# Altium PCB mppt.PcbDoc (part 2 of 5)
Units mm, origin at the board's own origin, x right, y up, seen from the top; angles counter-clockwise.
Board outline 161 x 166 mm, 6 copper layers (Top Layer, Layer 1, Layer 2, Layer 3, Layer 4, Bottom Layer), stack 0.815 mm thick; 460 components, 230 nets, 1421 pads, 2551 vias.
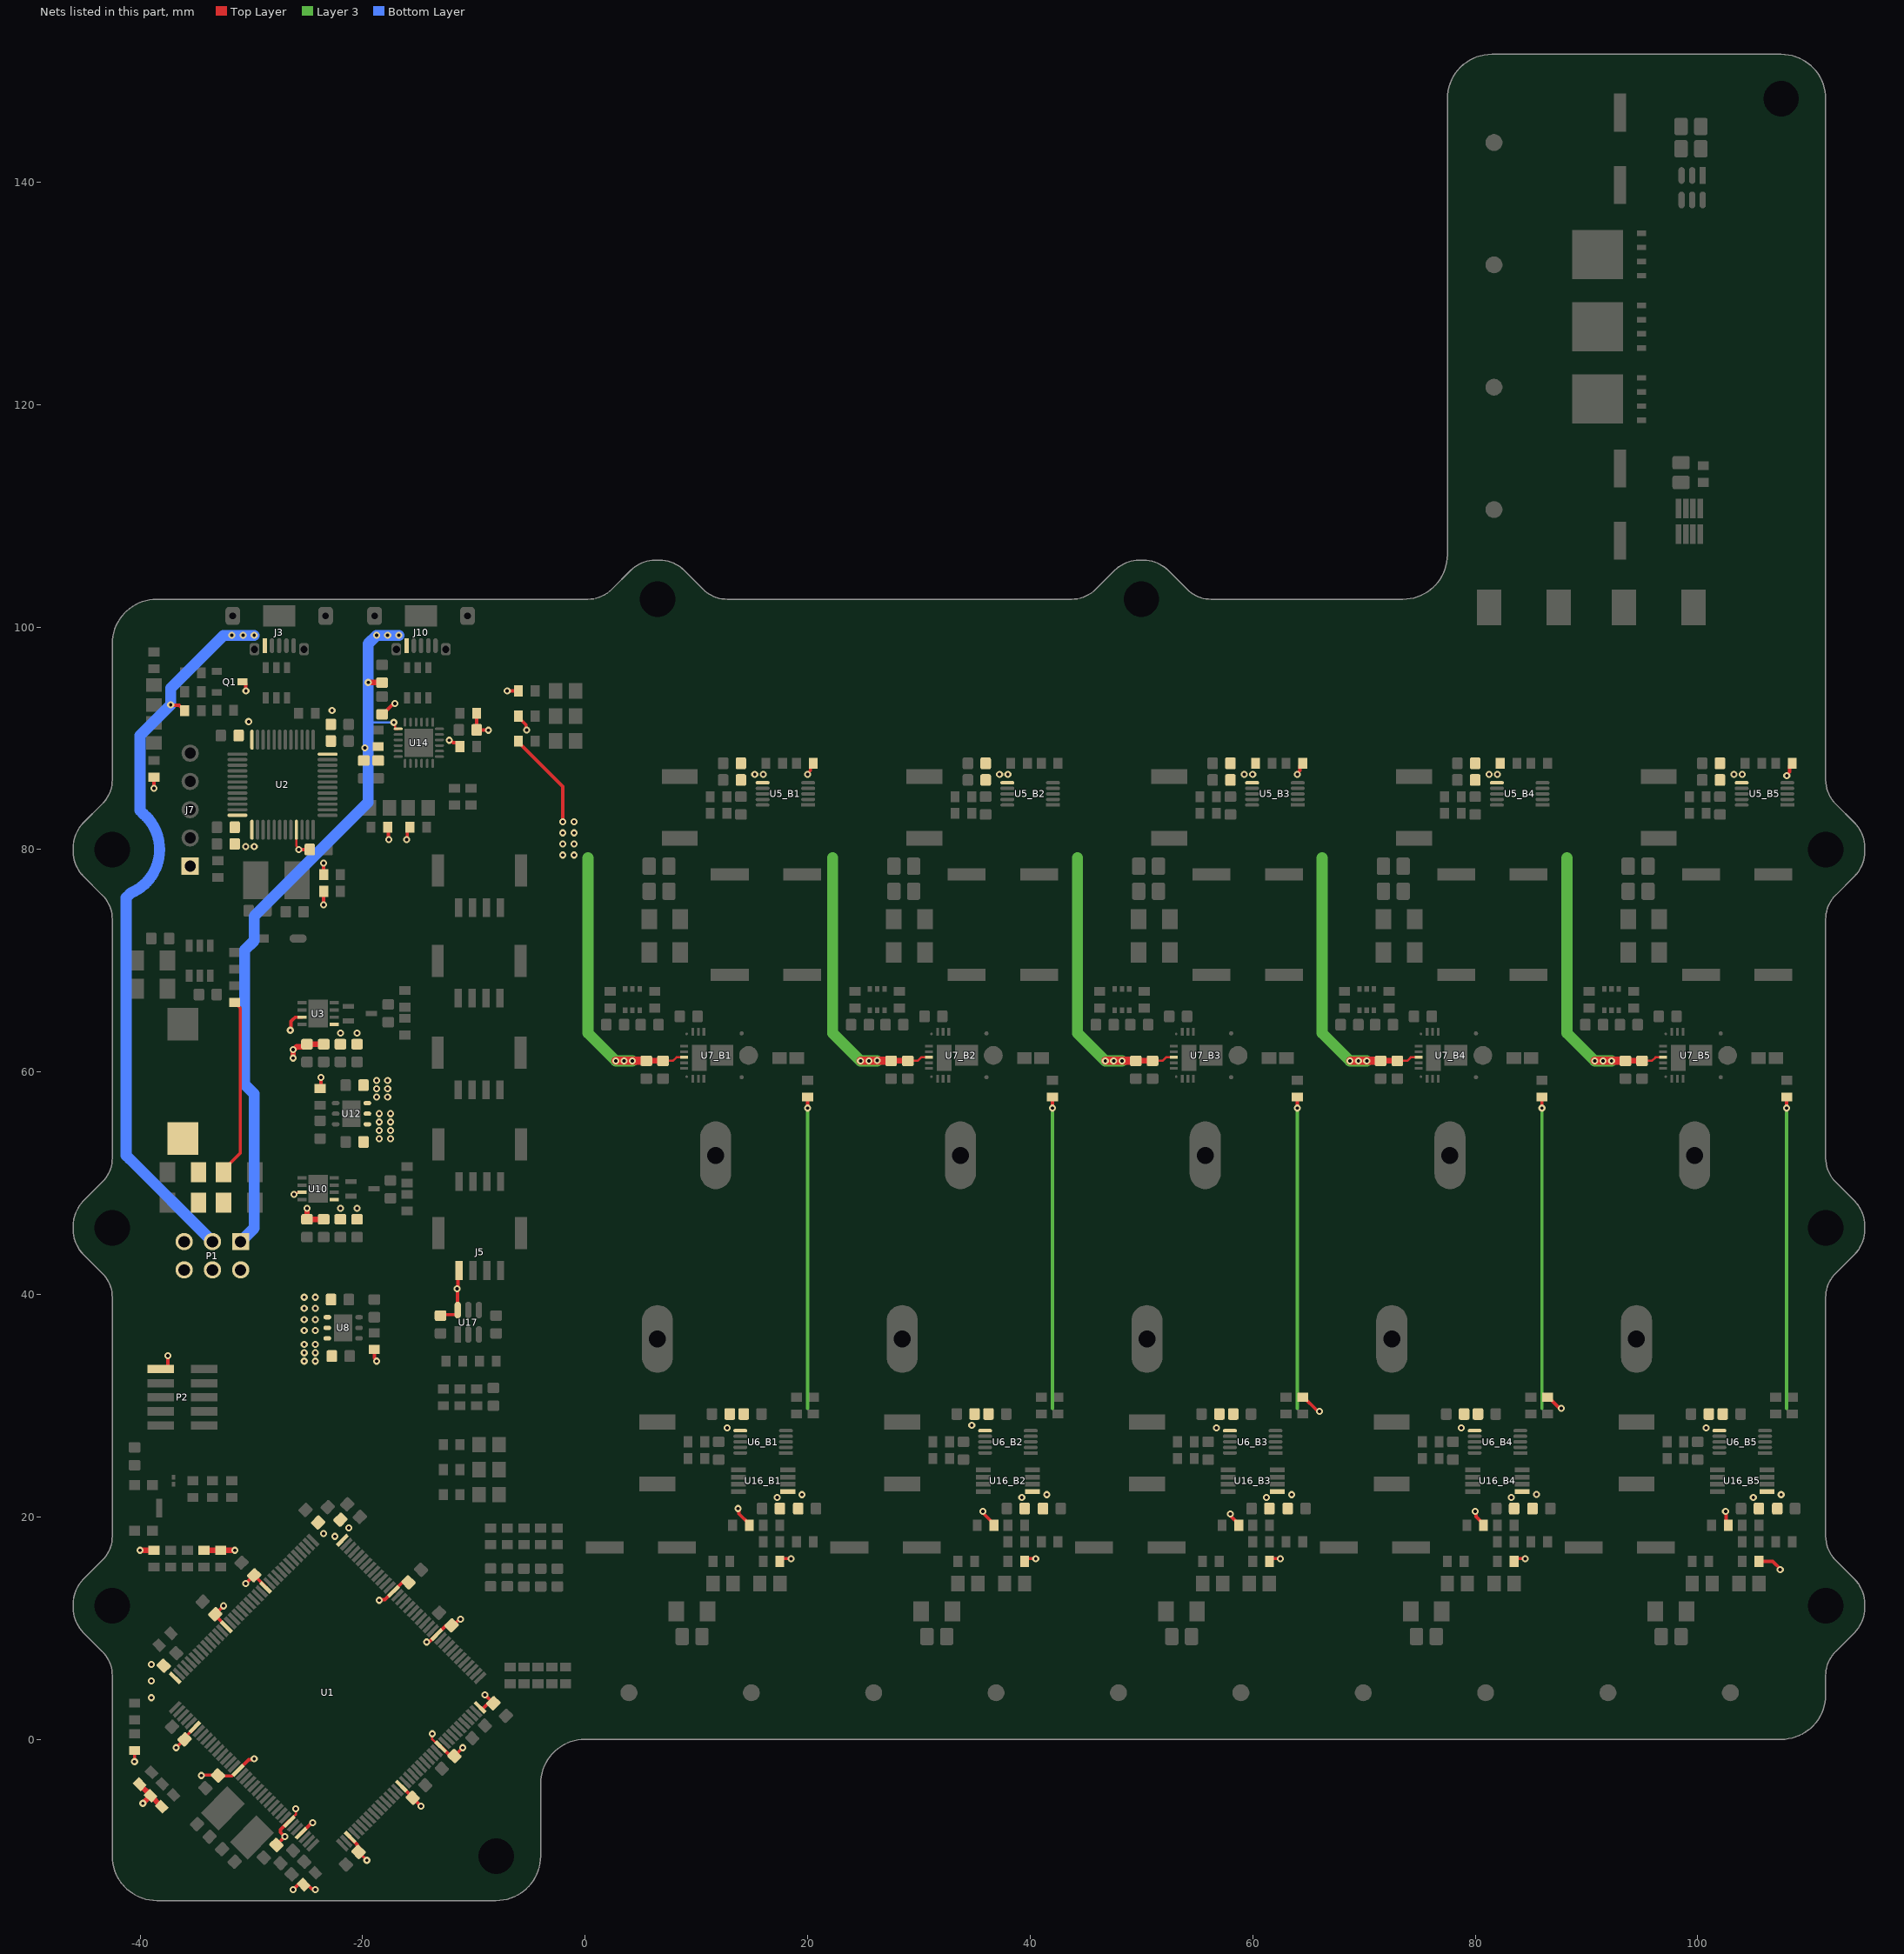
[diagram p6: the nets of this part, all layers, seen from the top]

## Footprints (in the part's own frame and the unit in brackets; to place one, negate y for a bottom-side part, rotate by r counter-clockwise, add the part's x,y. Pads: shape width x height; smd on the part's side, far side on the other; paste and mask are expansions set on the pad) (continued)
DFN6D_L [mm] "SON, 6-Leads, Body 3x3mm, Pitch 0.95mm, Thermal Pad 2.4x1.65mm, IPC High Density"
  oval 0.7x0.4 smd: 1(-1.425,0.95) 2(-1.425,0) 3(-1.425,-0.95) 4(1.425,-0.95) 5(1.425,0) 6(1.425,0.95)
  rect 1.65x2.4 smd: 7(0,0)
  silkscreen extent -1.7,-1.7 1.7,1.7, body extent -1.55,-1.55 1.55,1.55, height 0.95
FP-90120-0125-MFG [mm]
  rect 1.55x1.55 hole 1 paste-2539.97 mask+0: 1(-5.08,0)
  round 1.55 hole 1 paste-2539.97 mask+0: 2(-2.54,0) 3(0,0) 4(2.54,0) 5(5.08,0)
  silkscreen extent -7.07,-1.27 6.35,1.27, body extent -6.45,-1.37 6.45,1.37, height 0.25
FP-CC1206-1_25-IPC_B [mm]
  rect 1.403x1.806 smd paste+0 mask+0: 1(-1.4,0) 2(1.4,0)
  silkscreen extent -0.32,-0.8 0.32,0.8, body extent -2.35,-1.15 2.35,1.15, height 0.25
FP-CP2102N-A02-GQFN24R-IPC_C [mm]
  rect 0.81x0.239 smd paste+0 mask+0: 1(-1.851,1.25)
  rrect100% 0.81x0.239 smd paste+0 mask+0: 2(-1.851,0.75) 3(-1.851,0.25) 4(-1.851,-0.25) 5(-1.851,-0.75) 6(-1.851,-1.25) 13(1.851,-1.25) 14(1.851,-0.75) 15(1.851,-0.25) 16(1.851,0.25) 17(1.851,0.75) 18(1.851,1.25)
  rrect100% 0.239x0.81 smd paste+0 mask+0: 7(-1.25,-1.851) 8(-0.75,-1.851) 9(-0.25,-1.851) 10(0.25,-1.851) 11(0.75,-1.851) 12(1.25,-1.851) 19(1.25,1.851) 20(0.75,1.851) 21(0.25,1.851) 22(-0.25,1.851) 23(-0.75,1.851) 24(-1.25,1.851)
  rect 2.55x2.55 smd paste-1000 mask+0: 25(0,0)
  silkscreen extent -2.78,-2 2,2, body extent -2.36,-2.36 2.36,2.36, height 0.25
FP-DBV0006A-IPC_B [mm]
  rect 1.505x0.57 smd paste+0 mask+0: 1(-1.1,0.95)
  rrect100% 1.505x0.57 smd paste+0 mask+0: 2(-1.1,0) 3(-1.1,-0.95) 4(1.1,-0.95) 5(1.1,0) 6(1.1,0.95)
  silkscreen extent -2.4,-1.7 1.4,1.7, body extent -2.1,-1.7 2.1,1.7, height 0.25
FP-DGS0010A-IPC_C [mm]
  rect 1.257x0.312 smd paste+0 mask+0: 1(-2.051,1)
  rrect100% 1.257x0.312 smd paste+0 mask+0: 2(-2.051,0.5) 3(-2.051,0) 4(-2.051,-0.5) 5(-2.051,-1) 6(2.051,-1) 7(2.051,-0.5) 8(2.051,0) 9(2.051,0.5) 10(2.051,1)
  silkscreen extent -3.38,-1.5 0.92,1.5, body extent -2.78,-1.6 2.78,1.6, height 0.25
FP-NCU18-0_15-IPC_A [mm]
  rect 1.306x1.058 smd paste+0 mask+0: 1(-0.776,0) 2(0.776,0)
  silkscreen extent -1.43,-0.93 1.43,0.93, body extent -1.93,-1.03 1.93,1.03, height 0.25
FP-PG-TDSON-8-MFG [mm]
  rect 0.5x0.85 smd paste-1000 mask+0: 1(-1.905,-2.9) 2(-0.635,-2.9) 3(0.635,-2.9) 4(1.905,-2.9)
  rect 4.41x4.55 smd paste-1000 mask-1000: 5-6-7-8(0,1.05)
  silkscreen extent -2.67,-4.05 2.68,3.05, body extent -2.99,-3.43 3,3.42, height 0.25
FP-SOD123-IPC_A [mm]
  rect 1.557x0.742 smd paste+0 mask+0: 1(-1.7,0)
  rrect100% 1.557x0.742 smd paste+0 mask+0: 2(1.7,0)
  silkscreen extent -3.39,-0.77 1.33,0.78, body extent -2.98,-1.28 2.98,1.28, height 0.25
FP-ST0201-MFG [mm]
  rect 0.425x0.3 smd paste-1000 mask+0: 1(-0.312,0) 2(0.313,0)
  silkscreen extent -1.2,-0.52 0.33,0.52, body extent -0.63,-0.28 0.63,0.28, height 0.25
IEC_HotSurface_Small [mm]
  silkscreen extent -2.72,-2.36 2.72,2.35
IND_VER2923_COC [mil]
  oval 240x110 hole 60 slot 190 at 0 deg paste-99999 mask+0: 1(0,0) 2(650,-205.91)
  silkscreen extent -220,-442 870,236, body extent -215,-436 865,232, height 896
LQFP144-20x20mm [mil]
  rect 53x14 smd paste+0 mask+0: 1(-418.31,344.49) 2(-418.31,324.8) 3(-418.31,305.12) 4(-418.31,285.43) 5(-418.31,265.75) 6(-418.31,246.06) 7(-418.31,226.38) 8(-418.31,206.69) 9(-418.31,187.01) 10(-418.31,167.32) 11(-418.31,147.64) 12(-418.31,127.95) 13(-418.31,108.27) 14(-418.31,88.58) 15(-418.31,68.9) 16(-418.31,49.21) 17(-418.31,29.53) 18(-418.31,9.84) 19(-418.31,-9.84) 20(-418.31,-29.53) 21(-418.31,-49.21) 22(-418.31,-68.9) 23(-418.31,-88.58) 24(-418.31,-108.27) 25(-418.31,-127.95) 26(-418.31,-147.64) 27(-418.31,-167.32) 28(-418.31,-187.01) 29(-418.31,-206.69) 30(-418.31,-226.38) 31(-418.31,-246.06) 32(-418.31,-265.75) 33(-418.31,-285.43) 34(-418.31,-305.12) 35(-418.31,-324.8) 36(-418.31,-344.49) 73(418.31,-344.49) 74(418.31,-324.8) 75(418.31,-305.12) 76(418.31,-285.43) 77(418.31,-265.75) 78(418.31,-246.06) 79(418.31,-226.38) 80(418.31,-206.69) 81(418.31,-187.01) 82(418.31,-167.32) 83(418.31,-147.64) 84(418.31,-127.95) 85(418.31,-108.27) 86(418.31,-88.58) 87(418.31,-68.9) 88(418.31,-49.21) 89(418.31,-29.53) 90(418.31,-9.84) 91(418.31,9.84) 92(418.31,29.53) 93(418.31,49.21) 94(418.31,68.9) 95(418.31,88.58) 96(418.31,108.27) 97(418.31,127.95) 98(418.31,147.64) 99(418.31,167.32) 100(418.31,187.01) 101(418.31,206.69) 102(418.31,226.38) 103(418.31,246.06) 104(418.31,265.75) 105(418.31,285.43) 106(418.31,305.12) 107(418.31,324.8) 108(418.31,344.49)
  rect 14x53 smd paste+0 mask+0: 37(-344.49,-418.31) 38(-324.8,-418.31) 39(-305.12,-418.31) 40(-285.43,-418.31) 41(-265.75,-418.31) 42(-246.06,-418.31) 43(-226.38,-418.31) 44(-206.69,-418.31) 45(-187.01,-418.31) 46(-167.32,-418.31) 47(-147.64,-418.31) 48(-127.95,-418.31) 49(-108.27,-418.31) 50(-88.58,-418.31) 51(-68.9,-418.31) 52(-49.21,-418.31) 53(-29.53,-418.31) 54(-9.84,-418.31) 55(9.84,-418.31) 56(29.53,-418.31) 57(49.21,-418.31) 58(68.9,-418.31) 59(88.58,-418.31) 60(108.27,-418.31) 61(127.95,-418.31) 62(147.64,-418.31) 63(167.32,-418.31) 64(187.01,-418.31) 65(206.69,-418.31) 66(226.38,-418.31) 67(246.06,-418.31) 68(265.75,-418.31) 69(285.43,-418.31) 70(305.12,-418.31) 71(324.8,-418.31) 72(344.49,-418.31) 109(344.49,418.31) 110(324.8,418.31) 111(305.12,418.31) 112(285.43,418.31) 113(265.75,418.31) 114(246.06,418.31) 115(226.38,418.31) 116(206.69,418.31) 117(187.01,418.31) 118(167.32,418.31) 119(147.64,418.31) 120(127.95,418.31) 121(108.27,418.31) 122(88.58,418.31) 123(68.9,418.31) 124(49.21,418.31) 125(29.53,418.31) 126(9.84,418.31) 127(-9.84,418.31) 128(-29.53,418.31) 129(-49.21,418.31) 130(-68.9,418.31) 131(-88.58,418.31) 132(-108.27,418.31) 133(-127.95,418.31) 134(-147.64,418.31) 135(-167.32,418.31) 136(-187.01,418.31) 137(-206.69,418.31) 138(-226.38,418.31) 139(-246.06,418.31) 140(-265.75,418.31) 141(-285.43,418.31) 142(-305.12,418.31) 143(-324.8,418.31) 144(-344.49,418.31)
  silkscreen extent -468,-465 465,465, body extent -431,-431 431,431, height 63
MH_M3-Footprint-1 [mil]
  round 60 hole 125.98 unplated: 6(0,0)
ONSC-SOT-363-6-419B-02_W_V [mm] "SOT23, 6-Leads, Body 2x1.25mm, Pitch 0.65mm"
  rect 0.5x0.4 smd: 1(-0.95,0.65) 2(-0.95,0) 3(-0.95,-0.65) 4(0.95,-0.65) 5(0.95,0) 6(0.95,0.65)
  silkscreen extent -1.87,-1.1 0.3,1.1, body extent -1.05,-1 1.05,1, height 1.1
RES_3L000FEB_VIS [mil]
  rect 53x127 smd paste+0 mask+0: 1(-109.5,0) 2(109.5,0)
  silkscreen extent -71,-68 71,68, body extent -128,-64 128,64, height 15
RESC1608X55X25ML10T15 [mm] "Chip Resistor, 2-Leads, Body 1.60x0.80mm, IPC Low Density"
  rect 0.8x1 smd: 1(-0.75,0) 2(0.75,0)
  body extent -0.85,-0.45 0.85,0.45, height 0.55
RESC5032X135N [mm]
  rect 2.25x3.4 smd: 1(-1.85,0) 2(1.85,0)
  silkscreen extent 0,-1.5 0,1.5, body extent -2.59,-1.68 2.56,1.67, height 1.4
"SMD Push Button-Footprint-1" [mm]
  rect 0.9x1 smd: 1(-0.018,0.038) 2(-0.018,-1.562) 3(4.082,-1.562) 4(4.082,0.038)
  rect 1.7x0.55 smd: 5(2.032,0.663)
  silkscreen extent 0.83,-2.16 3.23,-2.16, body extent -0.27,-2.16 4.33,0.64, height 1.91
"SMD, P=1.27mm" [mm]
  rect 0.76x2.4 smd: 1(-0.127,0.076) 2(-0.127,3.976) 3(1.143,0.076) 4(1.143,3.976) 5(2.413,0.076) 6(2.413,3.976) 7(3.683,0.076) 8(3.683,3.976) 9(4.953,0.076) 10(4.953,3.976)
  silkscreen extent -3.81,-1.78 8.67,4.9, body extent -0.76,-2.41 5.59,4.95, height 6.99
SMTC-TSW-103-07-G-D_V [mm] "THD, 6-Leads, Body 7.62x5.08mm, Pitch 2.54mm"
  rect 1.55x1.55 hole 1.02: 1(-2.54,-1.27)
  round 1.55 hole 1.02: 2(-2.54,1.27) 3(0,-1.27) 4(0,1.27) 5(2.54,-1.27) 6(2.54,1.27)
  silkscreen extent -4.59,-2.54 3.81,2.54, body extent -3.81,-2.54 3.81,2.54, height 8.38
"Solder Pad-Footprint-1" [mil]
  round 60 smd paste-99999 mask+4: SP(155,165)
  Top Layer region: 0,0 315,0 315,315 0,315
  Bottom Layer region: 0,0 315,0 315,315 0,315
SON_4DRBRQ1_TEX [mil]
  rect 32x12 smd paste+0 mask+0: 1(-57,38.39) 2(-57,12.8) 3(-57,-12.79) 4(-57,-38.38) 5(57,-38.38) 6(57,-12.79) 7(57,12.8) 8(57,38.39)
  rect 69x98 smd paste+0 mask+0: 9(0,0)
  silkscreen extent -105,-66 66,66, body extent -61,-61 61,61, height 39
SOT23-6L_STM [mil]
  rect 38.5x22 smd paste+0 mask+0: 1(-53.75,37.4) 2(-53.75,0) 3(-53.75,-37.4) 4(53.75,-37.4) 5(53.75,0) 6(53.75,37.4)
  silkscreen extent -40,-65 39,65, body extent -59,-60 59,60, height 57
SOT323-3L_STM [mil]
  rect 18x40 smd paste+0 mask+0: 1(-25.59,-41) 2(25.59,-41) 3(0,41)
  silkscreen extent -98,-52 49,31, body extent -44,-47 44,47, height 43
STM-LQFP48_N [mm] "QFP, 48-Leads, Body 7x7mm, Pitch 0.5mm, IPC Medium Density"
  oval 1.8x0.3 smd: 1(-4.05,2.75) 2(-4.05,2.25) 3(-4.05,1.75) 4(-4.05,1.25) 5(-4.05,0.75) 6(-4.05,0.25) 7(-4.05,-0.25) 8(-4.05,-0.75) 9(-4.05,-1.25) 10(-4.05,-1.75) 11(-4.05,-2.25) 12(-4.05,-2.75) 25(4.05,-2.75) 26(4.05,-2.25) 27(4.05,-1.75) 28(4.05,-1.25) 29(4.05,-0.75) 30(4.05,-0.25) 31(4.05,0.25) 32(4.05,0.75) 33(4.05,1.25) 34(4.05,1.75) 35(4.05,2.25) 36(4.05,2.75)
  oval 0.3x1.8 smd: 13(-2.75,-4.05) 14(-2.25,-4.05) 15(-1.75,-4.05) 16(-1.25,-4.05) 17(-0.75,-4.05) 18(-0.25,-4.05) 19(0.25,-4.05) 20(0.75,-4.05) 21(1.25,-4.05) 22(1.75,-4.05) 23(2.25,-4.05) 24(2.75,-4.05) 37(2.75,4.05) 38(2.25,4.05) 39(1.75,4.05) 40(1.25,4.05) 41(0.75,4.05) 42(0.25,4.05) 43(-0.25,4.05) 44(-0.75,4.05) 45(-1.25,4.05) 46(-1.75,4.05) 47(-2.25,4.05) 48(-2.75,4.05)
  silkscreen extent -4.17,-2.75 2.75,3.5, body extent -4.5,-4.5 4.5,4.5, height 1.6
TO-236AB-3 [mm] "SOT23, 3-Leads, Body 2.90x2.30mm, Pitch 0.95mm, IPC Medium Density"
  rect 0.9x0.6 smd: 1(-1.15,0.95) 2(-1.15,-0.95) 3(1.15,0)
  silkscreen extent -1.27,-1.5 0.7,1.92, body extent -1.3,-1.5 1.3,1.5, height 1.1
USB [mm] "Micro USB port, Molex 47590-0001"
  rect 0.4x1.35 smd: 1(0,0)
  oval 0.4x1.35 smd: 2(-0.65,0) 3(-1.3,0) 4(-1.95,0) 5(-2.6,0)
  rrect50% 0.85x1.1 hole 0.65 slot 0.85 at 90 deg: 6(-3.525,0.325) 6(0.925,0.325)
  rrect50% 1.324x1.624 hole 0.6 slot 1.3 at 90 deg: 7(-5.475,-2.675) 7(2.875,-2.675)
  rect 2.9x1.9 smd: 7(-1.3,-2.675)
  silkscreen extent -5.72,-1.48 3.12,0.67, body extent -5.63,-5.35 3.03,0.55, height 2.73
VBN0018A-MFG [mm]
  round 0.228 smd paste+0 mask+0: 1(-1.925,3.125) 11(1.925,3.125)
  rect 0.7x0.25 smd paste+0 mask+0: 2(-2.1,2.575) 3(-2.1,2.075) 4(-2.1,1.575) 8(2.1,1.575) 9(2.1,2.075) 10(2.1,2.575)
  round 0.376 smd paste+0 mask+0: 5(-1.969,-1.819) 7(1.969,-1.819)
  round 1.691 smd paste-0.833 mask+0: 6(-0.01,-2.435)
  rect 0.25x0.7 smd paste+0 mask+0: 12(0.825,3.35) 13(0.325,3.35) 14(-0.175,3.35) 15(-0.675,3.35) 16(-1.175,3.35)
  rect 2.35x1.33 smd paste-1.162 mask+0: 17(-0.225,1.985)
  rect 1.9x2.076 smd paste-1.025 mask+0: 18(0,-0.018)
  Top Layer region: 1.8,2.95 2.4,2.95 2.45,3 2.45,3.15 2.4,3.2 2.05,3.2 2,3.25 2,3.65 1.95,3.7 1.8,3.7 1.75,3.65 1.75,3
  Top Layer region: 1.8,0.65 2.075,0.65 2.125,0.6 2.125,0.338 2.175,0.288 2.4,0.288 2.45,0.238 2.45,0.088 2.4,0.038 2.175,0.038 2.125,-0.012 2.125,-0.162 2.175,-0.212 2.4,-0.212 2.45,-0.262 2.45,-0.412 2.4,-0.462 2.175,-0.462 2.125,-0.512 2.125,-0.662 2.175,-0.712 2.4,-0.712 2.45,-0.762 2.45,-0.912 2.4,-0.962 2.175,-0.962 2.125,-1.012 2.125,-1.162 2.175,-1.212 2.4,-1.212 2.45,-1.262 2.45,-1.412 2.4,-1.462 2.175,-1.462 2.125,-1.512 2.125,-1.662 2.175,-1.712 2.4,-1.712 2.45,-1.762 2.45,-1.912 2.4,-1.962 2.175,-1.962 2.125,-2.012 2.125,-2.162 2.175,-2.212 2.4,-2.212 2.45,-2.262 2.45,-2.412 2.4,-2.462 2.175,-2.462 2.125,-2.512 2.125,-2.662 2.175,-2.712 2.4,-2.712 2.45,-2.762 2.45,-2.912 2.4,-2.962 2.175,-2.962 2.125,-3.012 2.125,-3.3 2.075,-3.35 1.8,-3.35 1.75,-3.3 1.75,0.6
  Top Layer region: -1.8,0.65 -2.075,0.65 -2.125,0.6 -2.125,0.338 -2.175,0.288 -2.4,0.288 -2.45,0.238 -2.45,0.088 -2.4,0.038 -2.175,0.038 -2.125,-0.012 -2.125,-0.162 -2.175,-0.212 -2.4,-0.212 -2.45,-0.262 -2.45,-0.412 -2.4,-0.462 -2.175,-0.462 -2.125,-0.512 -2.125,-0.662 -2.175,-0.712 -2.4,-0.712 -2.45,-0.762 -2.45,-0.912 -2.4,-0.962 -2.175,-0.962 -2.125,-1.012 -2.125,-1.162 -2.175,-1.212 -2.4,-1.212 -2.45,-1.262 -2.45,-1.412 -2.4,-1.462 -2.175,-1.462 -2.125,-1.512 -2.125,-1.662 -2.175,-1.712 -2.4,-1.712 -2.45,-1.762 -2.45,-1.912 -2.4,-1.962 -2.175,-1.962 -2.125,-2.012 -2.125,-2.162 -2.175,-2.212 -2.4,-2.212 -2.45,-2.262 -2.45,-2.412 -2.4,-2.462 -2.175,-2.462 -2.125,-2.512 -2.125,-2.662 -2.175,-2.712 -2.4,-2.712 -2.45,-2.762 -2.45,-2.912 -2.4,-2.962 -2.175,-2.962 -2.125,-3.012 -2.125,-3.3 -2.075,-3.35 -1.8,-3.35 -1.75,-3.3 -1.75,0.6
  Top Layer region: -1.8,2.95 -2.4,2.95 -2.45,3 -2.45,3.15 -2.4,3.2 -2.05,3.2 -2,3.25 -2,3.65 -1.95,3.7 -1.8,3.7 -1.75,3.65 -1.75,3
  Top Layer region: -1.45,1.37 -1.45,2.6 -1.35,2.7 0.9,2.7 1,2.6 1,-3.65 0.9,-3.75 -0.9,-3.75 -1,-3.65 -1,1.17 -1.1,1.27 -1.35,1.27
  Top Layer region: -0.55,-3.425 -0.55,-3.65 -0.6,-3.7 -0.75,-3.7 -0.8,-3.65 -0.8,-3.425 -0.85,-3.375 -0.9,-3.375 -0.95,-3.325 -0.95,-1.406 -0.9,-1.356 0.9,-1.356 0.95,-1.406 0.95,-3.325 0.9,-3.375 0.5,-3.375 0.45,-3.425 0.45,-3.65 0.4,-3.7 0.25,-3.7 0.2,-3.65 0.2,-3.425 0.15,-3.375 0,-3.375 -0.05,-3.425 -0.05,-3.65 -0.1,-3.7 -0.25,-3.7 -0.3,-3.65 -0.3,-3.425 -0.35,-3.375 -0.5,-3.375
  silkscreen extent -3.12,-3.88 2.63,3.88, body extent -2.24,-3.53 2.26,3.47, height 0.85
VSSOP8_DGK_TEX [mil]
  rect 52.5x17 smd paste+0 mask+0: 1(-87.25,38.39) 2(-87.25,12.8) 3(-87.25,-12.8) 4(-87.25,-38.39) 5(87.25,-38.39) 6(87.25,-12.8) 7(87.25,12.8) 8(87.25,38.39)
  silkscreen extent -132,-66 66,66, body extent -99,-61 99,61, height 43

## Part data
8 9 10 11 12 13: library part CMP-0074837-1, "IEC 61010-1 Hot Surface Warning", LatestRevisionDate=2017-07-06, Lib Reference=IEC_HotSurface, PartNumber="CAUTION HOT SURFACE", Published=2009-03-03, Publisher="Texas Instruments", SymbolCreator=a0412235, SymbolVersion=2011-08-22
C1 C2: library part CMP-00207-1, "6.3V 2.2uF X7R ±10% 0603 Multilayer Ceramic Capacitors MLCC - SMD/SMT ROHS", Case Code (Imperial)=0603, Case Code (Metric)=1608, Dielectric=X7R, Dielectric Material=Ceramic, Max Operating Temperature=125°C, Min Operating Temperature=-55°C, Tolerance=10%, Voltage Rating=6.3V, Case/Package=0603, China RoHS=Compliant, Composition=Ceramic, Country of Origin="Mainland China, Taiwan", Depth=800µm, Export Control Classification Number (ECCN) Code=EAR99, Halogen Free="Halogen Free", Harmonized Tariff Schedule (HTS) Code=8532.24.00.20, Height=800µm, Introduction Date=2009-04-17, Lead Free="Lead Free", Length=1.6mm, Lifecycle Status=Production, Material=Ceramic, Mounting Technology="Surface Mount", Number of Terminals=2, Packaging="Tape and Reel", Radiation Hardening=No, REACH SVHC=Yes, RoHS=Compliant, Schedule B="8532240020, 8532240020", Termination=SMD/SMT, Thickness=889µm, Voltage Rating (DC)=6.3V, Weight=2.012816mg, Width=800µm
C3: library part CMP-00209-1, "Multilayer Ceramic Capacitors MLCC - SMD/SMT 6.3V 4.7uF X7R 0603 20%", Case/Package=0603, Dielectric=X7R, Dielectric Material=Ceramic, Max Operating Temperature=125°C, Min Operating Temperature=-55°C, Tolerance=20%, Voltage Rating=6.3V, China RoHS=Compliant, Country of Origin="Mainland China, Taiwan", Export Control Classification Number (ECCN) Code=EAR99, Halogen Free="Halogen Free", Harmonized Tariff Schedule (HTS) Code=8532.24.00.20, Height=800µm, Introduction Date=2012-07-17, Lead Free="Lead Free", Length=1.6mm, Lifecycle Status=Production, Material=Ceramic, Mounting Technology="Surface Mount", Number of Terminals=2, REACH SVHC=Yes, RoHS=Compliant, Schedule B=8532240020, Voltage Rating (DC)=6.3V, Width=800µm
C4 C5 C17 C20 C22 C50_B1 C50_B2 C50_B3 C50_B4 C50_B5 C51_B1 C51_B2 C51_B3 C51_B4 C51_B5 C52_B1 C52_B2 C52_B3 C52_B4 C52_B5 C55 C57 C87_B1 C87_B2 C87_B3 C87_B4 C87_B5: library part CMP-00211-1, "16V 1uF X7R ±10% 0603 Multilayer Ceramic Capacitors MLCC - SMD/SMT ROHS", Case Code (Imperial)=0603, Case Code (Metric)=1608, Dielectric=X7R, Dielectric Material=Ceramic, Max Operating Temperature=125°C, Min Operating Temperature=-55°C, Tolerance=10%, Voltage=16V, Case/Package=0603, China RoHS=Compliant, Composition=Ceramic, Country of Origin="Mainland China, Taiwan", Depth=800µm, Dissipation Factor=5%, Export Control Classification Number (ECCN) Code=EAR99, Halogen Free="Halogen Free", Harmonized Tariff Schedule (HTS) Code=8532.24.00.20, Height=800µm, Introduction Date=2009-04-17, Lead Free="Lead Free", Length=1.6mm, Lifecycle Status=Production, Material=Ceramic, Mounting Technology="Surface Mount", Number of Terminals=2, Pins=2, Radiation Hardening=No, REACH SVHC=Yes, RoHS=Compliant, Schedule B="8532240020, 8532240020", Termination=SMD/SMT, Thickness=889µm, Voltage Rating=16V, Voltage Rating (DC)=16V, Width=800µm
C6 C7 C8 C9 C10 C11 C12 C13 C14 C15 C16 C18 C19 C21 C23_B1 C23_B2 C23_B3 C23_B4 C23_B5 C24_B1 C24_B2 C24_B3 C24_B4 C24_B5 C25_B1 C25_B2 C25_B3 C25_B4 C25_B5 C26_B1 C26_B2 C26_B3 C26_B4 C26_B5 C38 C41 C42 C43 C44 C45 C46 C49 C53 C54 C56 C58 C61 C76 C79 C81 C83 C84 C88_B1 C88_B2 C88_B3 C88_B4 C88_B5 C89 C90 C91 C92 C94: library part CMP-00179-1, "25V 100nF X7R ±10% 0603 Multilayer Ceramic Capacitors MLCC - SMD/SMT ROHS", Case Code (Imperial)=0603, Case Code (Metric)=1608, Dielectric=X7R, Dielectric Material=Ceramic, Max Operating Temperature=125°C, Min Operating Temperature=-55°C, Tolerance=10%, Voltage=25V, Case/Package=0603, China RoHS=Compliant, Composition=Ceramic, Depth=800µm, Halogen Free="Halogen Free", Height=800µm, Lead Free="Lead Free", Length=1.6mm, Lifecycle Status=Production, Material=Ceramic, Mounting Technology="Surface Mount", Number of Terminals=2, Pins=2, Radiation Hardening=No, REACH SVHC=Yes, RoHS=Compliant, Schedule B="8532240020, 8532240020", Termination=SMD/SMT, Thickness=889µm, Voltage Rating=25V, Voltage Rating (DC)=25V, Width=800µm
C27_B1 C27_B2 C27_B3 C27_B4 C27_B5 C28_B1 C28_B2 C28_B3 C28_B4 C28_B5: library part CMP-00294-1, "50V 220pF NP0 ±5% 0603 Multilayer Ceramic Capacitors MLCC - SMD/SMT ROHS", Case Code (Imperial)=0603, Dielectric=C0G, Dielectric Material=Ceramic, Insulation Resistance=100GΩ, Max Operating Temperature=125°C, Min Operating Temperature=-55°C, Temperature Coefficient=30ppm/°C, Tolerance=5%, Voltage=50V, Case/Package=0603, China RoHS=Compliant, Composition=Ceramic, Country of Origin="Mainland China, Taiwan", Depth=800µm, Export Control Classification Number (ECCN) Code=EAR99, Halogen Free="Halogen Free", Harmonized Tariff Schedule (HTS) Code=8532.24.00.20, Height=800µm, Introduction Date=2005-07-07, Lead Free="Lead Free", Length=1.6mm, Lifecycle Status=Production, Mounting Technology="Surface Mount", Number of Terminals=2, Pins=2, Radiation Hardening=No, REACH SVHC=Yes, RoHS=Compliant, Schedule B="8532240020, 8532240020", Termination=SMD/SMT, Thickness=889µm, Voltage Rating=50V, Voltage Rating (AC)=50V, Voltage Rating (DC)=50V, Width=800µm
C29_B1 C29_B2 C29_B3 C29_B4 C29_B5 C30_B1 C30_B2 C30_B3 C30_B4 C30_B5 C36_B1 C36_B2 C36_B3 C36_B4 C36_B5 C69 C70: library part CMP-00184-1, "1206 2.2 uF 100 V ±10% Tolerance X7R SMT Multilayer Ceramic Chip Capacitor", Case/Package=1206, Dielectric Material=Ceramic, Max Operating Temperature=125°C, Min Operating Temperature=-55°C, Tolerance=10%, Voltage Rating=100V, China RoHS=Compliant, Height=1.6mm, Length=3.2mm, Lifecycle Status=Production, Material=Ceramic, Mounting Technology="Surface Mount", Number of Terminals=2, REACH SVHC=Yes, RoHS=Compliant, Schedule B="8532240020, 8532240020", Thickness=1.4478mm, Voltage Rating (DC)=100V, Width=1.6mm
C31_B1 C31_B2 C31_B3 C31_B4 C31_B5 C32_B1 C32_B2 C32_B3 C32_B4 C32_B5 C35_B1 C35_B2 C35_B3 C35_B4 C35_B5 C64 C65: library part CMP-00270-3, "Radial Can - SMD ALUMINUM ELECTROLYTIC CAPACITOR FK 100V 22muF ±20% 0.315Dia 8.00mm", Case/Package=Radial, ESR (Equivalent Series Resistance)=1.3Ω, Leakage Current=22µA, Manufacturer Lifecycle Status=ACTIVE, Manufacturer_Name=Panasonic, Manufacturer_Part_Number=EEE-FK2A220P, Max Operating Temperature=105°C, Min Operating Temperature=-55°C, Ratings=AEC-Q200, Ripple Current=130mA, Tolerance=20%, Voltage=100V, Copyright="Copyright (C) 2025 Ultra Librarian. All rights reserved.", Country of Origin="Japan, Malaysia", Design Item ID=EEE-FK2A220P, Diameter=8mm, Dissipation Factor=7%, Export Control Classification Number (ECCN) Code=EAR99, Harmonized Tariff Schedule (HTS) Code=8532.22.00.20, Height=10.2mm, Height - Seated (Max)=10.4902mm, Impedance=1.3Ω, Introduction Date=2004-08-25, Lead Diameter=900µm, Lead Free="Lead Free", Lead Pitch=3.1mm, Length=10.2mm, Life (Hours)=2000hours, Lifecycle Status=Production, Material=Aluminium, Mounting Technology="Surface Mount", Number of Terminals=2, Packaging="Cut Tape", Part Series=FK, Pins=2, Polarity=Polar, Radiation Hardening=No, REACH SVHC=Yes, Ripple Current (AC)=130mA, RoHS=Compliant, Schedule B="8532220020, 8532220020", Source=EEE-FK2A220P.SchLib, Termination=SMD/SMT, Voltage Rating=100V, Voltage Rating (DC)=100V, Width=8.3mm
C33_B1 C33_B2 C33_B3 C33_B4 C33_B5 C34_B1 C34_B2 C34_B3 C34_B4 C34_B5 C37_B1 C37_B2 C37_B3 C37_B4 C37_B5 C66 C67 C85: library part CMP-00180-1, "Multilayer Ceramic Capacitors MLCC - SMD/SMT 100V 0.22uF X7R 0805 10%", Capacitance=33uF, Capacitor Type=Ceramic, Case Code (Imperial)=0805, Case Code (Metric)=2012, Dielectric=X7R, Manufacturer Part Number=C2012X5R1A336M125AC, Max Operating Temperature=125°C, Min Operating Temperature=-55°C, Negative Tolerance=20%, Package Shape=Rectangular, Package Style=SMTMeter, Rated DC Voltage (URdc)=10V, Temperature Characteristics Code=X5R, Tolerance=10%, Voltage Rating=100V, Case/Package=0805, China RoHS=Compliant, Composition=Ceramic, Dielectric Material=Ceramic, Height=1.25mm, JESD-609 Code=e3, Length=2mm, Lifecycle Status=Production, Mount="Surface Mount", Mounting Technology="Surface Mount", Multilayer=Yes, Number of Terminals=2, Number of Terminals/Pins=2, Packaging="Tape & Reel (TR)", Positive Tolerance=20%, REACH SVHC=Yes, RoHS=Compliant, RoHS Compliant=Yes, Schedule B="8532240020, 8532240020", Size Code=0805, Terminal Finish=Nickel, Termination=SMD/SMT, Thickness=711.2µm, Voltage Rating (DC)=100V, Weight=5.499807mg, Width=1.25mm